# KiCad board Register File.kicad_pcb
rev: 1
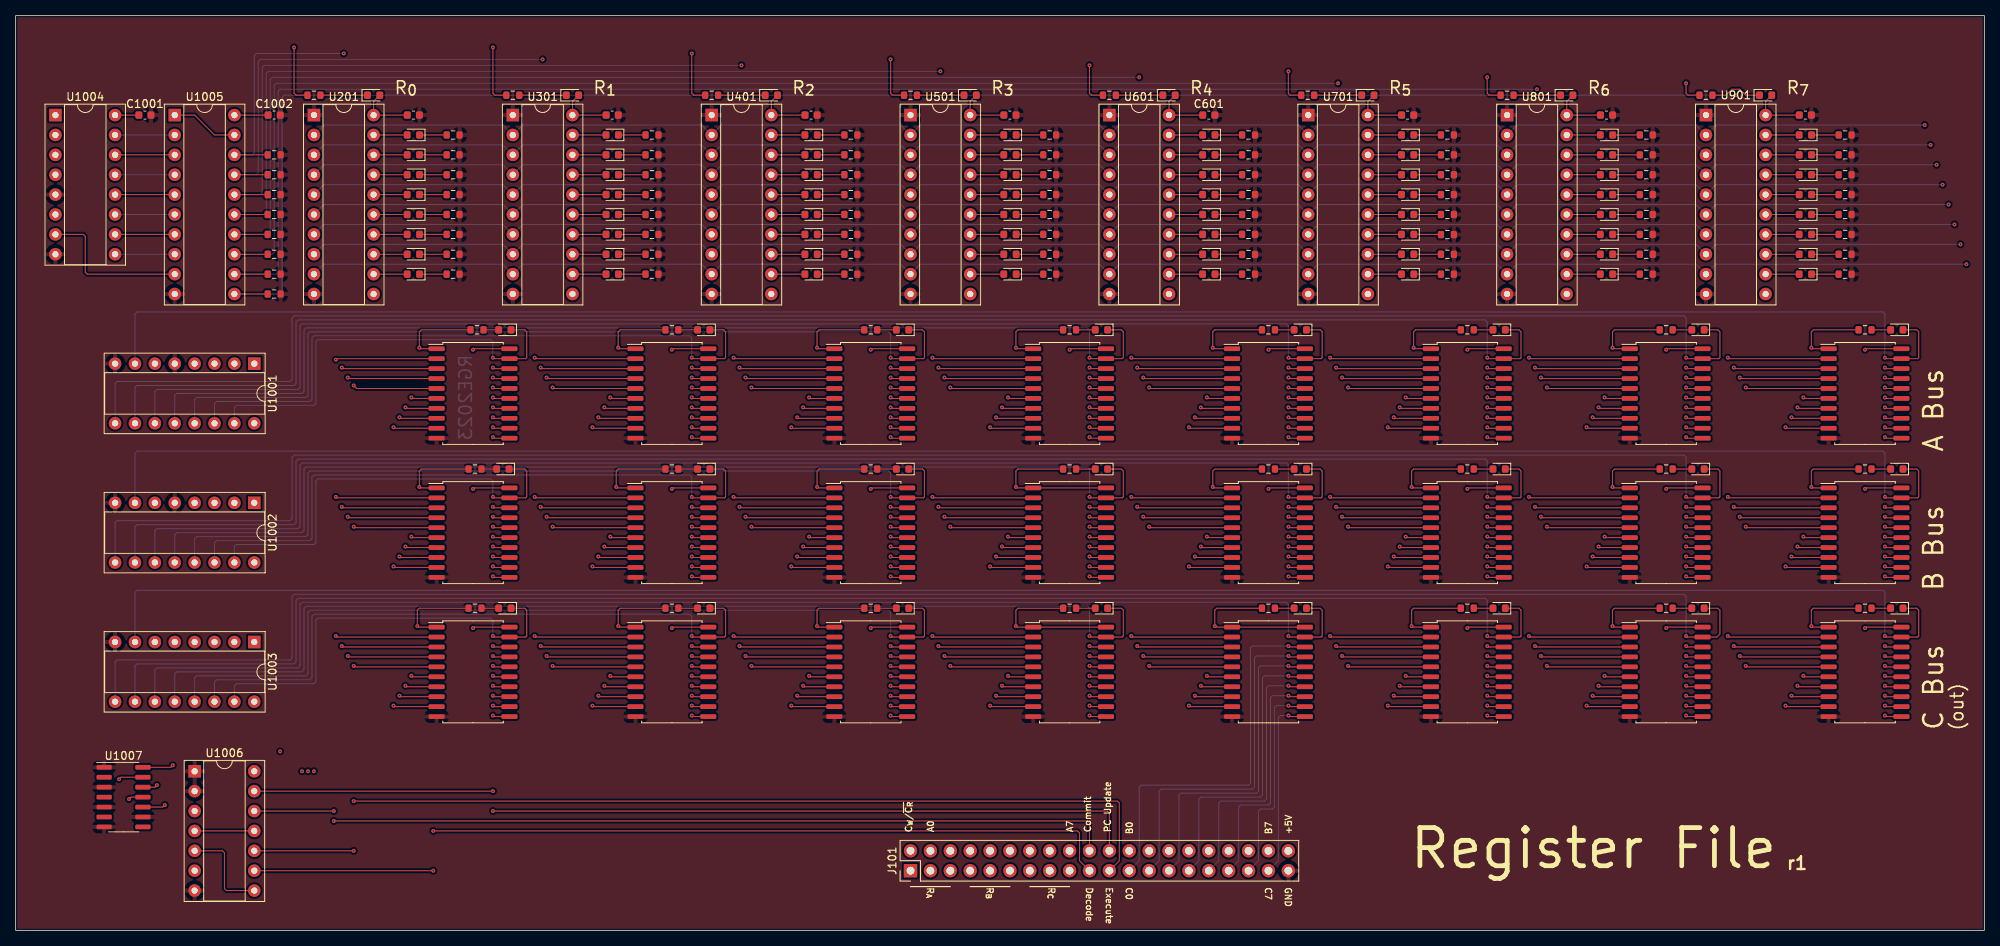
[diagram p0: board, top side]
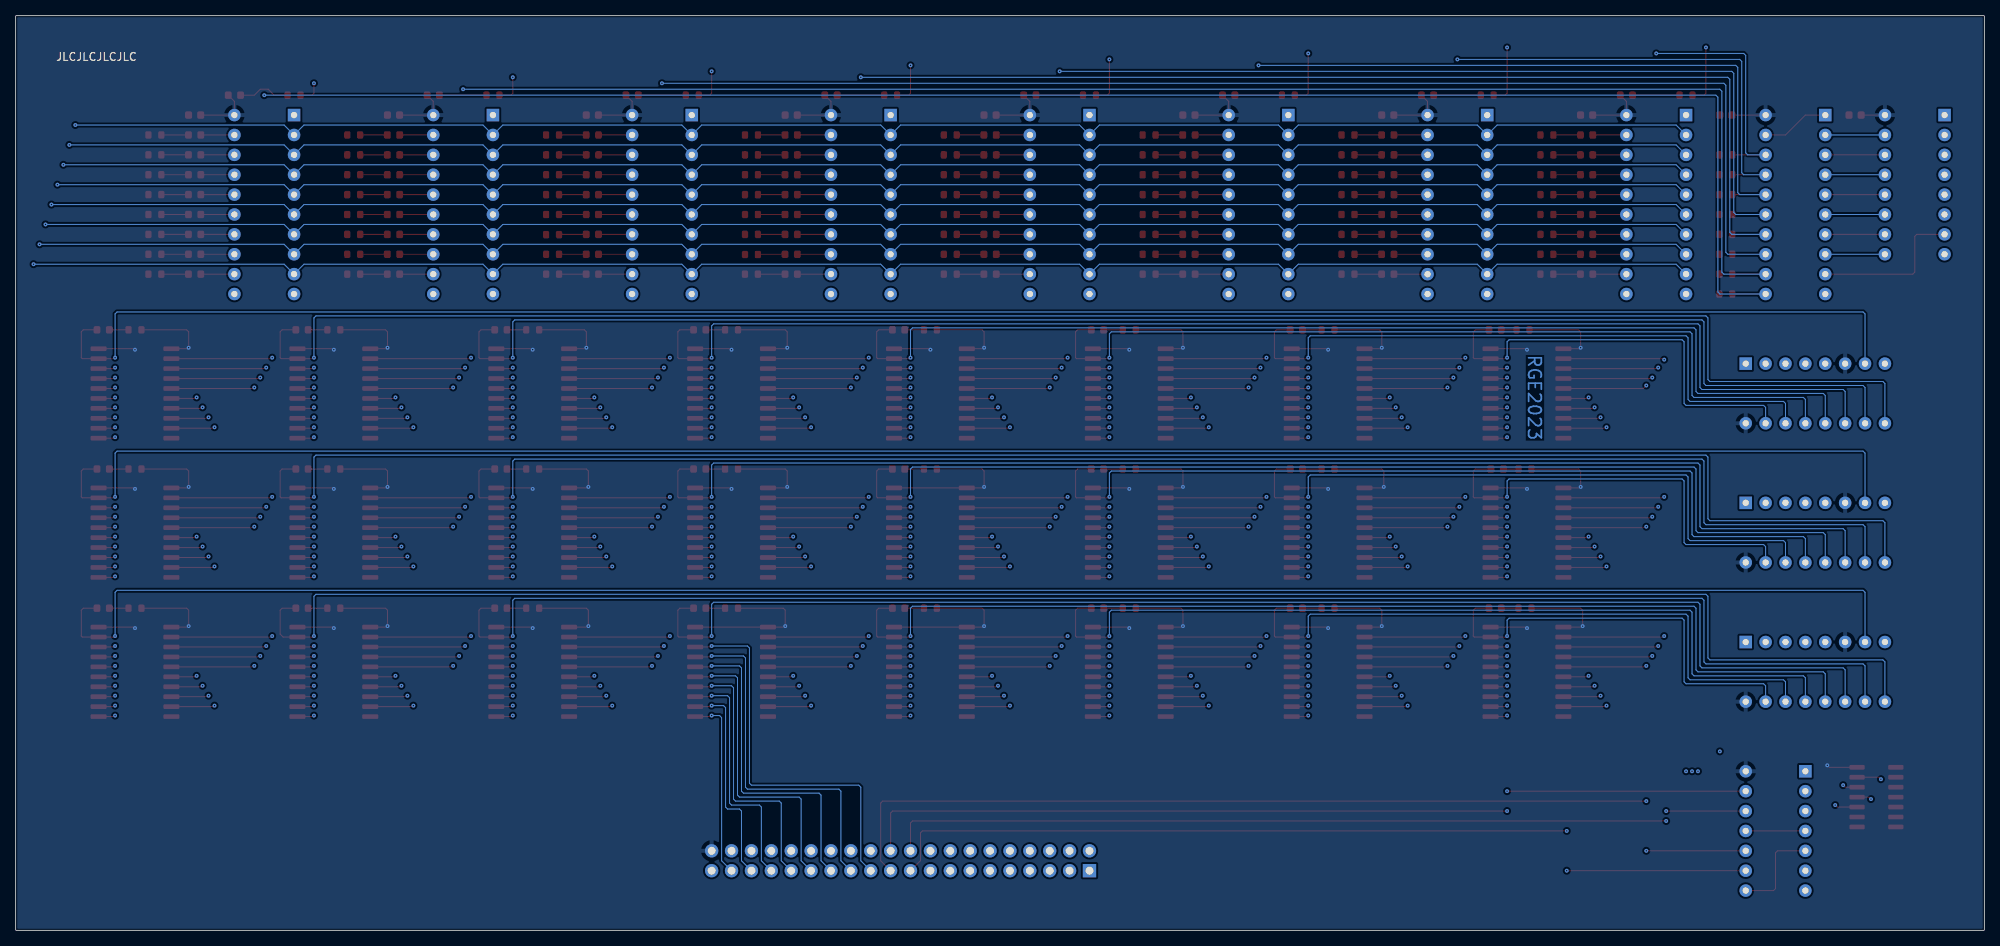
[diagram p1: board, bottom side, seen from below]

Outline 251.46 x 116.84 mm; copper layers: Top, In1.Cu, In2.Cu, Bottom. Coordinates in mm from the lower left corner of the outline.
Outline path: rectangle 0,116.84 251.46,0
Stack: Top 0.035mm / dielectric 1.51mm FR4 er 4.5 / In1.Cu 0.035mm / dielectric 1.51mm FR4 er 4.5 / In2.Cu 0.035mm / dielectric 1.51mm FR4 er 4.5 / Bottom 0.035mm

## Placement (name value [footprint] x y rotation side)
C201  100n  [C_0603_1608Metric]  50.8 104.14 0 top
C301  100n  [C_0603_1608Metric]  76.2 104.14 0 top
C401  100n  [C_0603_1608Metric]  101.6 104.14 0 top
C501  100n  [C_0603_1608Metric]  127 104.14 0 top
C601  100n  [C_0603_1608Metric]  152.4 104.14 0 top
C701  100n  [C_0603_1608Metric]  177.8 104.14 0 top
C801  100n  [C_0603_1608Metric]  203.2 104.14 0 top
C901  100n  [C_0603_1608Metric]  228.6 104.14 0 top
C1001  100n  [C_0603_1608Metric]  16.51 104.14 0 top
C1002  100n  [C_0603_1608Metric]  33.02 104.14 0 top
D201  GREEN  [LED_0603_1608Metric]  50.8 101.6 180 top
D202  GREEN  [LED_0603_1608Metric]  50.8 99.06 180 top
D203  GREEN  [LED_0603_1608Metric]  50.8 96.52 180 top
D204  GREEN  [LED_0603_1608Metric]  50.8 93.98 180 top
D205  GREEN  [LED_0603_1608Metric]  50.8 91.44 180 top
D206  GREEN  [LED_0603_1608Metric]  50.8 88.9 180 top
D207  GREEN  [LED_0603_1608Metric]  50.8 86.36 180 top
D208  GREEN  [LED_0603_1608Metric]  50.8 83.82 180 top
D209  Blue  [LED_0603_1608Metric]  62.48 76.71 180 top
D210  Blue  [LED_0603_1608Metric]  62.48 41.15 180 top
D211  Blue  [LED_0603_1608Metric]  62.23 58.93 180 top
D301  GREEN  [LED_0603_1608Metric]  76.2 101.6 180 top
D302  GREEN  [LED_0603_1608Metric]  76.2 99.06 180 top
D303  GREEN  [LED_0603_1608Metric]  76.2 96.52 180 top
D304  GREEN  [LED_0603_1608Metric]  76.2 93.98 180 top
D305  GREEN  [LED_0603_1608Metric]  76.2 91.44 180 top
D306  GREEN  [LED_0603_1608Metric]  76.2 88.9 180 top
D307  GREEN  [LED_0603_1608Metric]  76.2 86.36 180 top
D308  GREEN  [LED_0603_1608Metric]  76.2 83.82 180 top
D309  Blue  [LED_0603_1608Metric]  87.88 76.71 180 top
D310  Blue  [LED_0603_1608Metric]  87.88 41.15 180 top
D311  Blue  [LED_0603_1608Metric]  87.88 58.93 180 top
D401  GREEN  [LED_0603_1608Metric]  101.6 101.6 180 top
D402  GREEN  [LED_0603_1608Metric]  101.6 99.06 180 top
D403  GREEN  [LED_0603_1608Metric]  101.6 96.52 180 top
D404  GREEN  [LED_0603_1608Metric]  101.6 93.98 180 top
D405  GREEN  [LED_0603_1608Metric]  101.6 91.44 180 top
D406  GREEN  [LED_0603_1608Metric]  101.6 88.9 180 top
D407  GREEN  [LED_0603_1608Metric]  101.6 86.36 180 top
D408  GREEN  [LED_0603_1608Metric]  101.6 83.82 180 top
D409  Blue  [LED_0603_1608Metric]  113.28 76.71 180 top
D410  Blue  [LED_0603_1608Metric]  113.28 41.15 180 top
D411  Blue  [LED_0603_1608Metric]  113.28 58.93 180 top
D501  GREEN  [LED_0603_1608Metric]  127 101.6 180 top
D502  GREEN  [LED_0603_1608Metric]  127 99.06 180 top
D503  GREEN  [LED_0603_1608Metric]  127 96.52 180 top
D504  GREEN  [LED_0603_1608Metric]  127 93.98 180 top
D505  GREEN  [LED_0603_1608Metric]  127 91.44 180 top
D506  GREEN  [LED_0603_1608Metric]  127 88.9 180 top
D507  GREEN  [LED_0603_1608Metric]  127 86.36 180 top
D508  GREEN  [LED_0603_1608Metric]  127 83.82 180 top
D509  Blue  [LED_0603_1608Metric]  138.68 76.71 180 top
D510  Blue  [LED_0603_1608Metric]  138.68 41.15 180 top
D511  Blue  [LED_0603_1608Metric]  138.68 58.93 180 top
D601  GREEN  [LED_0603_1608Metric]  152.4 101.6 180 top
D602  GREEN  [LED_0603_1608Metric]  152.4 99.06 180 top
D603  GREEN  [LED_0603_1608Metric]  152.4 96.52 180 top
D604  GREEN  [LED_0603_1608Metric]  152.4 93.98 180 top
D605  GREEN  [LED_0603_1608Metric]  152.4 91.44 180 top
D606  GREEN  [LED_0603_1608Metric]  152.4 88.9 180 top
D607  GREEN  [LED_0603_1608Metric]  152.4 86.36 180 top
D608  GREEN  [LED_0603_1608Metric]  152.4 83.82 180 top
D609  Blue  [LED_0603_1608Metric]  164.08 76.71 180 top
D610  Blue  [LED_0603_1608Metric]  164.08 41.15 180 top
D611  Blue  [LED_0603_1608Metric]  164.08 58.93 180 top
D701  GREEN  [LED_0603_1608Metric]  177.8 101.6 180 top
D702  GREEN  [LED_0603_1608Metric]  177.8 99.06 180 top
D703  GREEN  [LED_0603_1608Metric]  177.8 96.52 180 top
D704  GREEN  [LED_0603_1608Metric]  177.8 93.98 180 top
D705  GREEN  [LED_0603_1608Metric]  177.8 91.44 180 top
D706  GREEN  [LED_0603_1608Metric]  177.8 88.9 180 top
D707  GREEN  [LED_0603_1608Metric]  177.8 86.36 180 top
D708  GREEN  [LED_0603_1608Metric]  177.8 83.82 180 top
D709  Blue  [LED_0603_1608Metric]  189.48 76.71 180 top
D710  Blue  [LED_0603_1608Metric]  189.48 41.15 180 top
D711  Blue  [LED_0603_1608Metric]  189.48 58.93 180 top
D801  GREEN  [LED_0603_1608Metric]  203.2 101.6 180 top
D802  GREEN  [LED_0603_1608Metric]  203.2 99.06 180 top
D803  GREEN  [LED_0603_1608Metric]  203.2 96.52 180 top
D804  GREEN  [LED_0603_1608Metric]  203.2 93.98 180 top
D805  GREEN  [LED_0603_1608Metric]  203.2 91.44 180 top
D806  GREEN  [LED_0603_1608Metric]  203.2 88.9 180 top
D807  GREEN  [LED_0603_1608Metric]  203.2 86.36 180 top
D808  GREEN  [LED_0603_1608Metric]  203.2 83.82 180 top
D809  Blue  [LED_0603_1608Metric]  214.88 76.71 180 top
D810  Blue  [LED_0603_1608Metric]  214.88 41.15 180 top
D811  Blue  [LED_0603_1608Metric]  214.88 58.93 180 top
D901  GREEN  [LED_0603_1608Metric]  228.6 101.6 180 top
D902  GREEN  [LED_0603_1608Metric]  228.6 99.06 180 top
D903  GREEN  [LED_0603_1608Metric]  228.6 96.52 180 top
D904  GREEN  [LED_0603_1608Metric]  228.6 93.98 180 top
D905  GREEN  [LED_0603_1608Metric]  228.6 91.44 180 top
D906  GREEN  [LED_0603_1608Metric]  228.6 88.9 180 top
D907  GREEN  [LED_0603_1608Metric]  228.6 86.36 180 top
D908  GREEN  [LED_0603_1608Metric]  228.6 83.82 180 top
D909  Blue  [LED_0603_1608Metric]  240.28 76.71 180 top
D910  Blue  [LED_0603_1608Metric]  240.28 41.15 180 top
D911  Blue  [LED_0603_1608Metric]  240.28 58.93 180 top
D1001  YELLOW  [LED_0603_1608Metric]  45.72 106.68 0 top
D1002  YELLOW  [LED_0603_1608Metric]  71.12 106.68 0 top
D1003  YELLOW  [LED_0603_1608Metric]  96.52 106.68 0 top
D1004  YELLOW  [LED_0603_1608Metric]  121.92 106.68 0 top
D1005  YELLOW  [LED_0603_1608Metric]  147.32 106.68 0 top
D1006  YELLOW  [LED_0603_1608Metric]  172.72 106.68 0 top
D1007  YELLOW  [LED_0603_1608Metric]  198.12 106.68 0 top
D1008  YELLOW  [LED_0603_1608Metric]  223.52 106.68 0 top
J101  Conn_02x20_Odd_Even  [PinHeader_2x20_P2.54mm_Vertical]  114.3 7.62 90 top
R201  4k7  [R_0603_1608Metric]  55.88 101.6 180 top
R202  4k7  [R_0603_1608Metric]  55.88 99.06 180 top
R203  4k7  [R_0603_1608Metric]  55.88 96.52 180 top
R204  4k7  [R_0603_1608Metric]  55.88 93.98 180 top
R205  4k7  [R_0603_1608Metric]  55.88 91.44 180 top
R206  4k7  [R_0603_1608Metric]  55.88 88.9 180 top
R207  4k7  [R_0603_1608Metric]  55.88 86.36 180 top
R208  4k7  [R_0603_1608Metric]  55.88 83.82 180 top
R209  4k7  [R_0603_1608Metric]  58.93 76.71 180 top
R210  4k7  [R_0603_1608Metric]  58.67 41.15 180 top
R211  4k7  [R_0603_1608Metric]  58.67 58.93 180 top
R301  4k7  [R_0603_1608Metric]  81.28 101.6 180 top
R302  4k7  [R_0603_1608Metric]  81.28 99.06 180 top
R303  4k7  [R_0603_1608Metric]  81.28 96.52 180 top
R304  4k7  [R_0603_1608Metric]  81.28 93.98 180 top
R305  4k7  [R_0603_1608Metric]  81.28 91.44 180 top
R306  4k7  [R_0603_1608Metric]  81.28 88.9 180 top
R307  4k7  [R_0603_1608Metric]  81.28 86.36 180 top
R308  4k7  [R_0603_1608Metric]  81.28 83.82 180 top
R309  4k7  [R_0603_1608Metric]  83.82 76.71 180 top
R310  4k7  [R_0603_1608Metric]  83.82 41.15 180 top
R311  4k7  [R_0603_1608Metric]  83.82 58.93 180 top
R401  4k7  [R_0603_1608Metric]  106.68 101.6 180 top
R402  4k7  [R_0603_1608Metric]  106.68 99.06 180 top
R403  4k7  [R_0603_1608Metric]  106.68 96.52 180 top
R404  4k7  [R_0603_1608Metric]  106.68 93.98 180 top
R405  4k7  [R_0603_1608Metric]  106.68 91.44 180 top
R406  4k7  [R_0603_1608Metric]  106.68 88.9 180 top
R407  4k7  [R_0603_1608Metric]  106.68 86.36 180 top
R408  4k7  [R_0603_1608Metric]  106.68 83.82 180 top
R409  4k7  [R_0603_1608Metric]  109.22 76.71 180 top
R410  4k7  [R_0603_1608Metric]  109.22 41.15 180 top
R411  4k7  [R_0603_1608Metric]  109.22 58.93 180 top
R501  4k7  [R_0603_1608Metric]  132.08 101.6 180 top
R502  4k7  [R_0603_1608Metric]  132.08 99.06 180 top
R503  4k7  [R_0603_1608Metric]  132.08 96.52 180 top
R504  4k7  [R_0603_1608Metric]  132.08 93.98 180 top
R505  4k7  [R_0603_1608Metric]  132.08 91.44 180 top
R506  4k7  [R_0603_1608Metric]  132.08 88.9 180 top
R507  4k7  [R_0603_1608Metric]  132.08 86.36 180 top
R508  4k7  [R_0603_1608Metric]  132.08 83.82 180 top
R509  4k7  [R_0603_1608Metric]  134.62 76.71 180 top
R510  4k7  [R_0603_1608Metric]  134.62 41.15 180 top
R511  4k7  [R_0603_1608Metric]  134.62 58.93 180 top
R601  4k7  [R_0603_1608Metric]  157.48 101.6 180 top
R602  4k7  [R_0603_1608Metric]  157.48 99.06 180 top
R603  4k7  [R_0603_1608Metric]  157.48 96.52 180 top
R604  4k7  [R_0603_1608Metric]  157.48 93.98 180 top
R605  4k7  [R_0603_1608Metric]  157.48 91.44 180 top
R606  4k7  [R_0603_1608Metric]  157.48 88.9 180 top
R607  4k7  [R_0603_1608Metric]  157.48 86.33 180 top
R608  4k7  [R_0603_1608Metric]  157.48 83.82 180 top
R609  4k7  [R_0603_1608Metric]  160.02 76.71 180 top
R610  4k7  [R_0603_1608Metric]  160.02 41.15 180 top
R611  4k7  [R_0603_1608Metric]  160.02 58.93 180 top
R701  4k7  [R_0603_1608Metric]  182.88 101.6 180 top
R702  4k7  [R_0603_1608Metric]  182.88 99.06 180 top
R703  4k7  [R_0603_1608Metric]  182.88 96.52 180 top
R704  4k7  [R_0603_1608Metric]  182.88 93.98 180 top
R705  4k7  [R_0603_1608Metric]  182.88 91.44 180 top
R706  4k7  [R_0603_1608Metric]  182.88 88.87 180 top
R707  4k7  [R_0603_1608Metric]  182.88 86.36 180 top
R708  4k7  [R_0603_1608Metric]  182.88 83.82 180 top
R709  4k7  [R_0603_1608Metric]  185.42 76.71 180 top
R710  4k7  [R_0603_1608Metric]  185.42 41.15 180 top
R711  4k7  [R_0603_1608Metric]  185.42 58.93 180 top
R801  4k7  [R_0603_1608Metric]  208.28 101.6 180 top
R802  4k7  [R_0603_1608Metric]  208.28 99.06 180 top
R803  4k7  [R_0603_1608Metric]  208.28 96.52 180 top
R804  4k7  [R_0603_1608Metric]  208.28 93.98 180 top
R805  4k7  [R_0603_1608Metric]  208.28 91.44 180 top
R806  4k7  [R_0603_1608Metric]  208.28 88.9 180 top
R807  4k7  [R_0603_1608Metric]  208.28 86.36 180 top
R808  4k7  [R_0603_1608Metric]  208.28 83.82 180 top
R809  4k7  [R_0603_1608Metric]  210.82 76.71 180 top
R810  4k7  [R_0603_1608Metric]  210.82 41.15 180 top
R811  4k7  [R_0603_1608Metric]  210.82 58.93 180 top
R901  4k7  [R_0603_1608Metric]  233.68 101.6 180 top
R902  4k7  [R_0603_1608Metric]  233.68 99.06 180 top
R903  4k7  [R_0603_1608Metric]  233.68 96.52 180 top
R904  4k7  [R_0603_1608Metric]  233.68 93.98 180 top
R905  4k7  [R_0603_1608Metric]  233.68 91.44 180 top
R906  4k7  [R_0603_1608Metric]  233.68 88.9 180 top
R907  4k7  [R_0603_1608Metric]  233.68 86.36 180 top
R908  4k7  [R_0603_1608Metric]  233.68 83.82 180 top
R909  4k7  [R_0603_1608Metric]  236.22 76.71 180 top
R910  4k7  [R_0603_1608Metric]  236.22 41.15 180 top
R911  4k7  [R_0603_1608Metric]  236.22 58.93 180 top
R1001  220k  [R_0603_1608Metric]  33.02 99.06 0 top
R1002  220k  [R_0603_1608Metric]  33.02 96.52 0 top
R1003  220k  [R_0603_1608Metric]  33.02 93.98 0 top
R1004  220k  [R_0603_1608Metric]  33.02 91.44 0 top
R1005  220k  [R_0603_1608Metric]  33.02 88.9 0 top
R1006  220k  [R_0603_1608Metric]  33.02 86.36 0 top
R1007  220k  [R_0603_1608Metric]  33.02 83.82 0 top
R1008  220k  [R_0603_1608Metric]  33.02 81.28 0 top
R1009  4k7  [R_0603_1608Metric]  38.1 106.68 0 top
R1010  4k7  [R_0603_1608Metric]  63.5 106.68 0 top
R1011  4k7  [R_0603_1608Metric]  88.9 106.68 0 top
R1012  4k7  [R_0603_1608Metric]  114.3 106.68 0 top
R1013  4k7  [R_0603_1608Metric]  139.7 106.68 0 top
R1014  4k7  [R_0603_1608Metric]  165.04 106.68 0 top
R1015  4k7  [R_0603_1608Metric]  190.5 106.68 0 top
R1016  4k7  [R_0603_1608Metric]  215.9 106.68 0 top
U201  74HCT574  [DIP-20_W7.62mm_Socket]  38.1 104.14 0 top
U202  74HC245  [SOIC-20W_7.5x12.8mm_P1.27mm]  58.42 68.58 0 top
U203  74HC245  [SOIC-20W_7.5x12.8mm_P1.27mm]  58.42 50.8 0 top
U204  74HC245  [SOIC-20W_7.5x12.8mm_P1.27mm]  58.42 33.02 0 top
U301  74HCT574  [DIP-20_W7.62mm_Socket]  63.5 104.14 0 top
U302  74HC245  [SOIC-20W_7.5x12.8mm_P1.27mm]  83.82 68.58 0 top
U303  74HC245  [SOIC-20W_7.5x12.8mm_P1.27mm]  83.82 50.8 0 top
U304  74HC245  [SOIC-20W_7.5x12.8mm_P1.27mm]  83.82 33.02 0 top
U401  74HCT574  [DIP-20_W7.62mm_Socket]  88.9 104.14 0 top
U402  74HC245  [SOIC-20W_7.5x12.8mm_P1.27mm]  109.22 68.58 0 top
U403  74HC245  [SOIC-20W_7.5x12.8mm_P1.27mm]  109.22 50.8 0 top
U404  74HC245  [SOIC-20W_7.5x12.8mm_P1.27mm]  109.22 33.02 0 top
U501  74HCT574  [DIP-20_W7.62mm_Socket]  114.3 104.14 0 top
U502  74HC245  [SOIC-20W_7.5x12.8mm_P1.27mm]  134.62 68.58 0 top
U503  74HC245  [SOIC-20W_7.5x12.8mm_P1.27mm]  134.62 50.8 0 top
U504  74HC245  [SOIC-20W_7.5x12.8mm_P1.27mm]  134.62 33.02 0 top
U601  74HCT574  [DIP-20_W7.62mm_Socket]  139.7 104.14 0 top
U602  74HC245  [SOIC-20W_7.5x12.8mm_P1.27mm]  160.02 68.58 0 top
U603  74HC245  [SOIC-20W_7.5x12.8mm_P1.27mm]  160.02 50.8 0 top
U604  74HC245  [SOIC-20W_7.5x12.8mm_P1.27mm]  160.02 33.02 0 top
U701  74HCT574  [DIP-20_W7.62mm_Socket]  165.1 104.14 0 top
U702  74HC245  [SOIC-20W_7.5x12.8mm_P1.27mm]  185.42 68.58 0 top
U703  74HC245  [SOIC-20W_7.5x12.8mm_P1.27mm]  185.42 50.8 0 top
U704  74HC245  [SOIC-20W_7.5x12.8mm_P1.27mm]  185.42 33.02 0 top
U801  74HCT574  [DIP-20_W7.62mm_Socket]  190.5 104.14 0 top
U802  74HC245  [SOIC-20W_7.5x12.8mm_P1.27mm]  210.82 68.58 0 top
U803  74HC245  [SOIC-20W_7.5x12.8mm_P1.27mm]  210.82 50.8 0 top
U804  74HC245  [SOIC-20W_7.5x12.8mm_P1.27mm]  210.82 33.02 0 top
U901  74HCT574  [DIP-20_W7.62mm_Socket]  215.9 104.14 0 top
U902  74HC245  [SOIC-20W_7.5x12.8mm_P1.27mm]  236.22 68.58 0 top
U903  74HC245  [SOIC-20W_7.5x12.8mm_P1.27mm]  236.22 50.8 0 top
U904  74HC245  [SOIC-20W_7.5x12.8mm_P1.27mm]  236.22 33.02 0 top
U1001  74HC138  [DIP-16_W7.62mm_Socket]  30.48 72.39 270 top
U1002  74HC138  [DIP-16_W7.62mm_Socket]  30.48 54.61 270 top
U1003  74HC138  [DIP-16_W7.62mm_Socket]  30.48 36.83 270 top
U1004  74HC138  [DIP-16_W7.62mm_Socket]  5.08 104.14 0 top
U1005  74HC540  [DIP-20_W7.62mm_Socket]  20.32 104.14 0 top
U1006  74HC32  [DIP-14_W7.62mm_Socket]  22.86 20.32 0 top
U1007  74HC14  [SOIC-14_3.9x8.7mm_P1.27mm]  13.78 17.02 0 top

## Library data of the parts
C201 C301 C401 C501 C601 C701 C801 C901 C1001 C1002 = -: Description: Unpolarized capacitor; LCSC: C14663
D201-D208 D301-D308 D401-D408 D501-D508 D601-D608 D701-D708 D801-D808 D901-D908 = -: Description: Light emitting diode; LCSC: C72043
D209-D211 D309-D311 D409-D411 D509-D511 D609-D611 D709-D711 D809-D811 D909-D911 = -: Description: Light emitting diode; LCSC: C72041
D1001-D1008 = -: Description: Light emitting diode; LCSC: C72038
J101 = -: Description: Generic connector, double row, 02x20, odd/even pin numbering scheme (row 1 odd numbers, row 2 even numbers), script generated (kicad-library-utils/schlib/autogen/connector/)
R201-R211 R301-R311 R401-R411 R501-R511 R601-R611 R701-R711 R801-R811 R901-R911 R1009-R1016 = -: Description: Resistor; LCSC: C23162
R1001-R1008 = -: Description: Resistor; LCSC: C22961
U201 U301 U401 U501 U601 U701 U801 U901 = -: Description: 8-bit Register, 3-state outputs
U202-U204 U302-U304 U402-U404 U502-U504 U602-U604 U702-U704 U802-U804 U902-U904 = -: Description: Octal BUS Transceivers, 3-State outputs; LCSC: C5625
U1001-U1004 = -: Description: 3-to-8 line decoder/multiplexer inverting, DIP-16/SOIC-16/SSOP-16
U1005 = -: Description: 8-bit Buffer/Line driver Inverter, 3-state outputs
U1006 = -: Description: Quad 2-input OR
U1007 = -: Description: Hex inverter schmitt trigger

## Footprints (pads in the part's own frame, mm; a bottom-side part is the same pattern mirrored in y, then rotated)
C_0603_1608Metric
  rrect 0.9x0.95 smd: 1(-0.775,0) 2(0.775,0)
DIP-14_W7.62mm_Socket
  rect 1.6x1.6 hole 0.8: 1(0,0)
  oval 1.6x1.6 hole 0.8: 2(0,-2.54) 3(0,-5.08) 4(0,-7.62) 5(0,-10.16) 6(0,-12.7) 7(0,-15.24) 8(7.62,-15.24) 9(7.62,-12.7) 10(7.62,-10.16) 11(7.62,-7.62) 12(7.62,-5.08) 13(7.62,-2.54) 14(7.62,0)
DIP-16_W7.62mm_Socket
  rect 1.6x1.6 hole 0.8: 1(0,0)
  oval 1.6x1.6 hole 0.8: 2(0,-2.54) 3(0,-5.08) 4(0,-7.62) 5(0,-10.16) 6(0,-12.7) 7(0,-15.24) 8(0,-17.78) 9(7.62,-17.78) 10(7.62,-15.24) 11(7.62,-12.7) 12(7.62,-10.16) 13(7.62,-7.62) 14(7.62,-5.08) 15(7.62,-2.54) 16(7.62,0)
DIP-20_W7.62mm_Socket
  rect 1.6x1.6 hole 0.8: 1(0,0)
  oval 1.6x1.6 hole 0.8: 2(0,-2.54) 3(0,-5.08) 4(0,-7.62) 5(0,-10.16) 6(0,-12.7) 7(0,-15.24) 8(0,-17.78) 9(0,-20.32) 10(0,-22.86) 11(7.62,-22.86) 12(7.62,-20.32) 13(7.62,-17.78) 14(7.62,-15.24) 15(7.62,-12.7) 16(7.62,-10.16) 17(7.62,-7.62) 18(7.62,-5.08) 19(7.62,-2.54) 20(7.62,0)
LED_0603_1608Metric
  rrect 0.875x0.95 smd: 1(-0.787,0) 2(0.787,0)
PinHeader_2x20_P2.54mm_Vertical
  rect 1.7x1.7 hole 1: 1(0,0)
  oval 1.7x1.7 hole 1: 2(2.54,0) 3(0,-2.54) 4(2.54,-2.54) 5(0,-5.08) 6(2.54,-5.08) 7(0,-7.62) 8(2.54,-7.62) 9(0,-10.16) 10(2.54,-10.16) 11(0,-12.7) 12(2.54,-12.7) 13(0,-15.24) 14(2.54,-15.24) 15(0,-17.78) 16(2.54,-17.78) 17(0,-20.32) 18(2.54,-20.32) 19(0,-22.86) 20(2.54,-22.86) 21(0,-25.4) 22(2.54,-25.4) 23(0,-27.94) 24(2.54,-27.94) 25(0,-30.48) 26(2.54,-30.48) 27(0,-33.02) 28(2.54,-33.02) 29(0,-35.56) 30(2.54,-35.56) 31(0,-38.1) 32(2.54,-38.1) 33(0,-40.64) 34(2.54,-40.64) 35(0,-43.18) 36(2.54,-43.18) 37(0,-45.72) 38(2.54,-45.72) 39(0,-48.26) 40(2.54,-48.26)
R_0603_1608Metric
  rrect 0.8x0.95 smd: 1(-0.825,0) 2(0.825,0)
SOIC-14_3.9x8.7mm_P1.27mm
  rrect 1.95x0.6 smd: 1(-2.475,3.81) 2(-2.475,2.54) 3(-2.475,1.27) 4(-2.475,0) 5(-2.475,-1.27) 6(-2.475,-2.54) 7(-2.475,-3.81) 8(2.475,-3.81) 9(2.475,-2.54) 10(2.475,-1.27) 11(2.475,0) 12(2.475,1.27) 13(2.475,2.54) 14(2.475,3.81)
SOIC-20W_7.5x12.8mm_P1.27mm
  rrect 2.05x0.6 smd: 1(-4.65,5.715) 2(-4.65,4.445) 3(-4.65,3.175) 4(-4.65,1.905) 5(-4.65,0.635) 6(-4.65,-0.635) 7(-4.65,-1.905) 8(-4.65,-3.175) 9(-4.65,-4.445) 10(-4.65,-5.715) 11(4.65,-5.715) 12(4.65,-4.445) 13(4.65,-3.175) 14(4.65,-1.905) 15(4.65,-0.635) 16(4.65,0.635) 17(4.65,1.905) 18(4.65,3.175) 19(4.65,4.445) 20(4.65,5.715)

## Nets
+5V: C201.1 C301.1 C401.1 C501.1 C601.1 C701.1 C801.1 C901.1 C1001.1 C1002.1 D1001.2 D1002.2 D1003.2 D1004.2 D1005.2 D1006.2 D1007.2 D1008.2 J101.40 R209.2 R210.2 R211.2 R309.2 R310.2 R311.2 R409.2 R410.2 R411.2 R509.2 R510.2 R511.2 R609.2 R610.2 R611.2 R709.2 R710.2 R711.2 R809.2 R810.2 R811.2 R909.2 R910.2 R911.2 U201.20 U202.1 U202.20 U203.1 U203.20 U204.1 U204.20 U301.20 U302.1 U302.20 U303.1 U303.20 U304.1 U304.20 U401.20 U402.1 U402.20 U403.1 U403.20 U404.1 U404.20 U501.20 U502.1 U502.20 U503.1 U503.20 U504.1 U504.20 U601.20 U602.1 U602.20 U603.1 U603.20 U604.1 U604.20 U701.20 U702.1 U702.20 U703.1 U703.20 U704.1 U704.20 U801.20 U802.1 U802.20 U803.1 U803.20 U804.1 U804.20 U901.20 U902.1 U902.20 U903.1 U903.20 U904.1 U904.20 U1001.6 U1001.16 U1002.6 U1002.16 U1003.6 U1003.16 U1004.16 U1005.20 U1006.14 U1007.14
GND: C201.2 C301.2 C401.2 C501.2 C601.2 C701.2 C801.2 C901.2 C1001.2 C1002.2 J101.39 R201.1 R202.1 R203.1 R204.1 R205.1 R206.1 R207.1 R208.1 R301.1 R302.1 R303.1 R304.1 R305.1 R306.1 R307.1 R308.1 R401.1 R402.1 R403.1 R404.1 R405.1 R406.1 R407.1 R408.1 R501.1 R502.1 R503.1 R504.1 R505.1 R506.1 R507.1 R508.1 R601.1 R602.1 R603.1 R604.1 R605.1 R606.1 R607.1 R608.1 R701.1 R702.1 R703.1 R704.1 R705.1 R706.1 R707.1 R708.1 R801.1 R802.1 R803.1 R804.1 R805.1 R806.1 R807.1 R808.1 R901.1 R902.1 R903.1 R904.1 R905.1 R906.1 R907.1 R908.1 R1001.2 R1002.2 R1003.2 R1004.2 R1005.2 R1006.2 R1007.2 R1008.2 U201.1 U201.10 U202.10 U203.10 U204.10 U301.1 U301.10 U302.10 U303.10 U304.10 U401.1 U401.10 U402.10 U403.10 U404.10 U501.1 U501.10 U502.10 U503.10 U504.10 U601.1 U601.10 U602.10 U603.10 U604.10 U701.1 U701.10 U702.10 U703.10 U704.10 U801.1 U801.10 U802.10 U803.10 U804.10 U901.1 U901.10 U902.10 U903.10 U904.10 U1001.5 U1001.8 U1002.5 U1002.8 U1003.8 U1004.5 U1004.8 U1005.10 U1006.1 U1006.2 U1006.7 U1007.1 U1007.3 U1007.5 U1007.7 U1007.9
/Register 0/A0: J101.4 U202.18 U302.18 U402.18 U502.18 U602.18 U702.18 U802.18 U902.18
/Register 0/A1: J101.6 U202.17 U302.17 U402.17 U502.17 U602.17 U702.17 U802.17 U902.17
/Register 0/A2: J101.8 U202.16 U302.16 U402.16 U502.16 U602.16 U702.16 U802.16 U902.16
/Register 0/A3: J101.10 U202.15 U302.15 U402.15 U502.15 U602.15 U702.15 U802.15 U902.15
/Register 0/A4: J101.12 U202.14 U302.14 U402.14 U502.14 U602.14 U702.14 U802.14 U902.14
/Register 0/A5: J101.14 U202.13 U302.13 U402.13 U502.13 U602.13 U702.13 U802.13 U902.13
/Register 0/A6: J101.16 U202.12 U302.12 U402.12 U502.12 U602.12 U702.12 U802.12 U902.12
/Register 0/A7: J101.18 U202.11 U302.11 U402.11 U502.11 U602.11 U702.11 U802.11 U902.11
/Register 0/B0: J101.24 U203.18 U303.18 U403.18 U503.18 U603.18 U703.18 U803.18 U903.18
/Register 0/B1: J101.26 U203.17 U303.17 U403.17 U503.17 U603.17 U703.17 U803.17 U903.17
/Register 0/B2: J101.28 U203.16 U303.16 U403.16 U503.16 U603.16 U703.16 U803.16 U903.16
/Register 0/B3: J101.30 U203.15 U303.15 U403.15 U503.15 U603.15 U703.15 U803.15 U903.15
/Register 0/B4: J101.32 U203.14 U303.14 U403.14 U503.14 U603.14 U703.14 U803.14 U903.14
/Register 0/B5: J101.34 U203.13 U303.13 U403.13 U503.13 U603.13 U703.13 U803.13 U903.13
/Register 0/B6: J101.36 U203.12 U303.12 U403.12 U503.12 U603.12 U703.12 U803.12 U903.12
/Register 0/B7: J101.38 U203.11 U303.11 U403.11 U503.11 U603.11 U703.11 U803.11 U903.11
/Register 0/C0: J101.23 U201.2 U204.18 U301.2 U304.18 U401.2 U404.18 U501.2 U504.18 U601.2 U604.18 U701.2 U704.18 U801.2 U804.18 U901.2 U904.18
/Register 0/C1: J101.25 U201.3 U204.17 U301.3 U304.17 U401.3 U404.17 U501.3 U504.17 U601.3 U604.17 U701.3 U704.17 U801.3 U804.17 U901.3 U904.17